# EAGLE board working (EAGLE 9.6.2), part 26 of 28
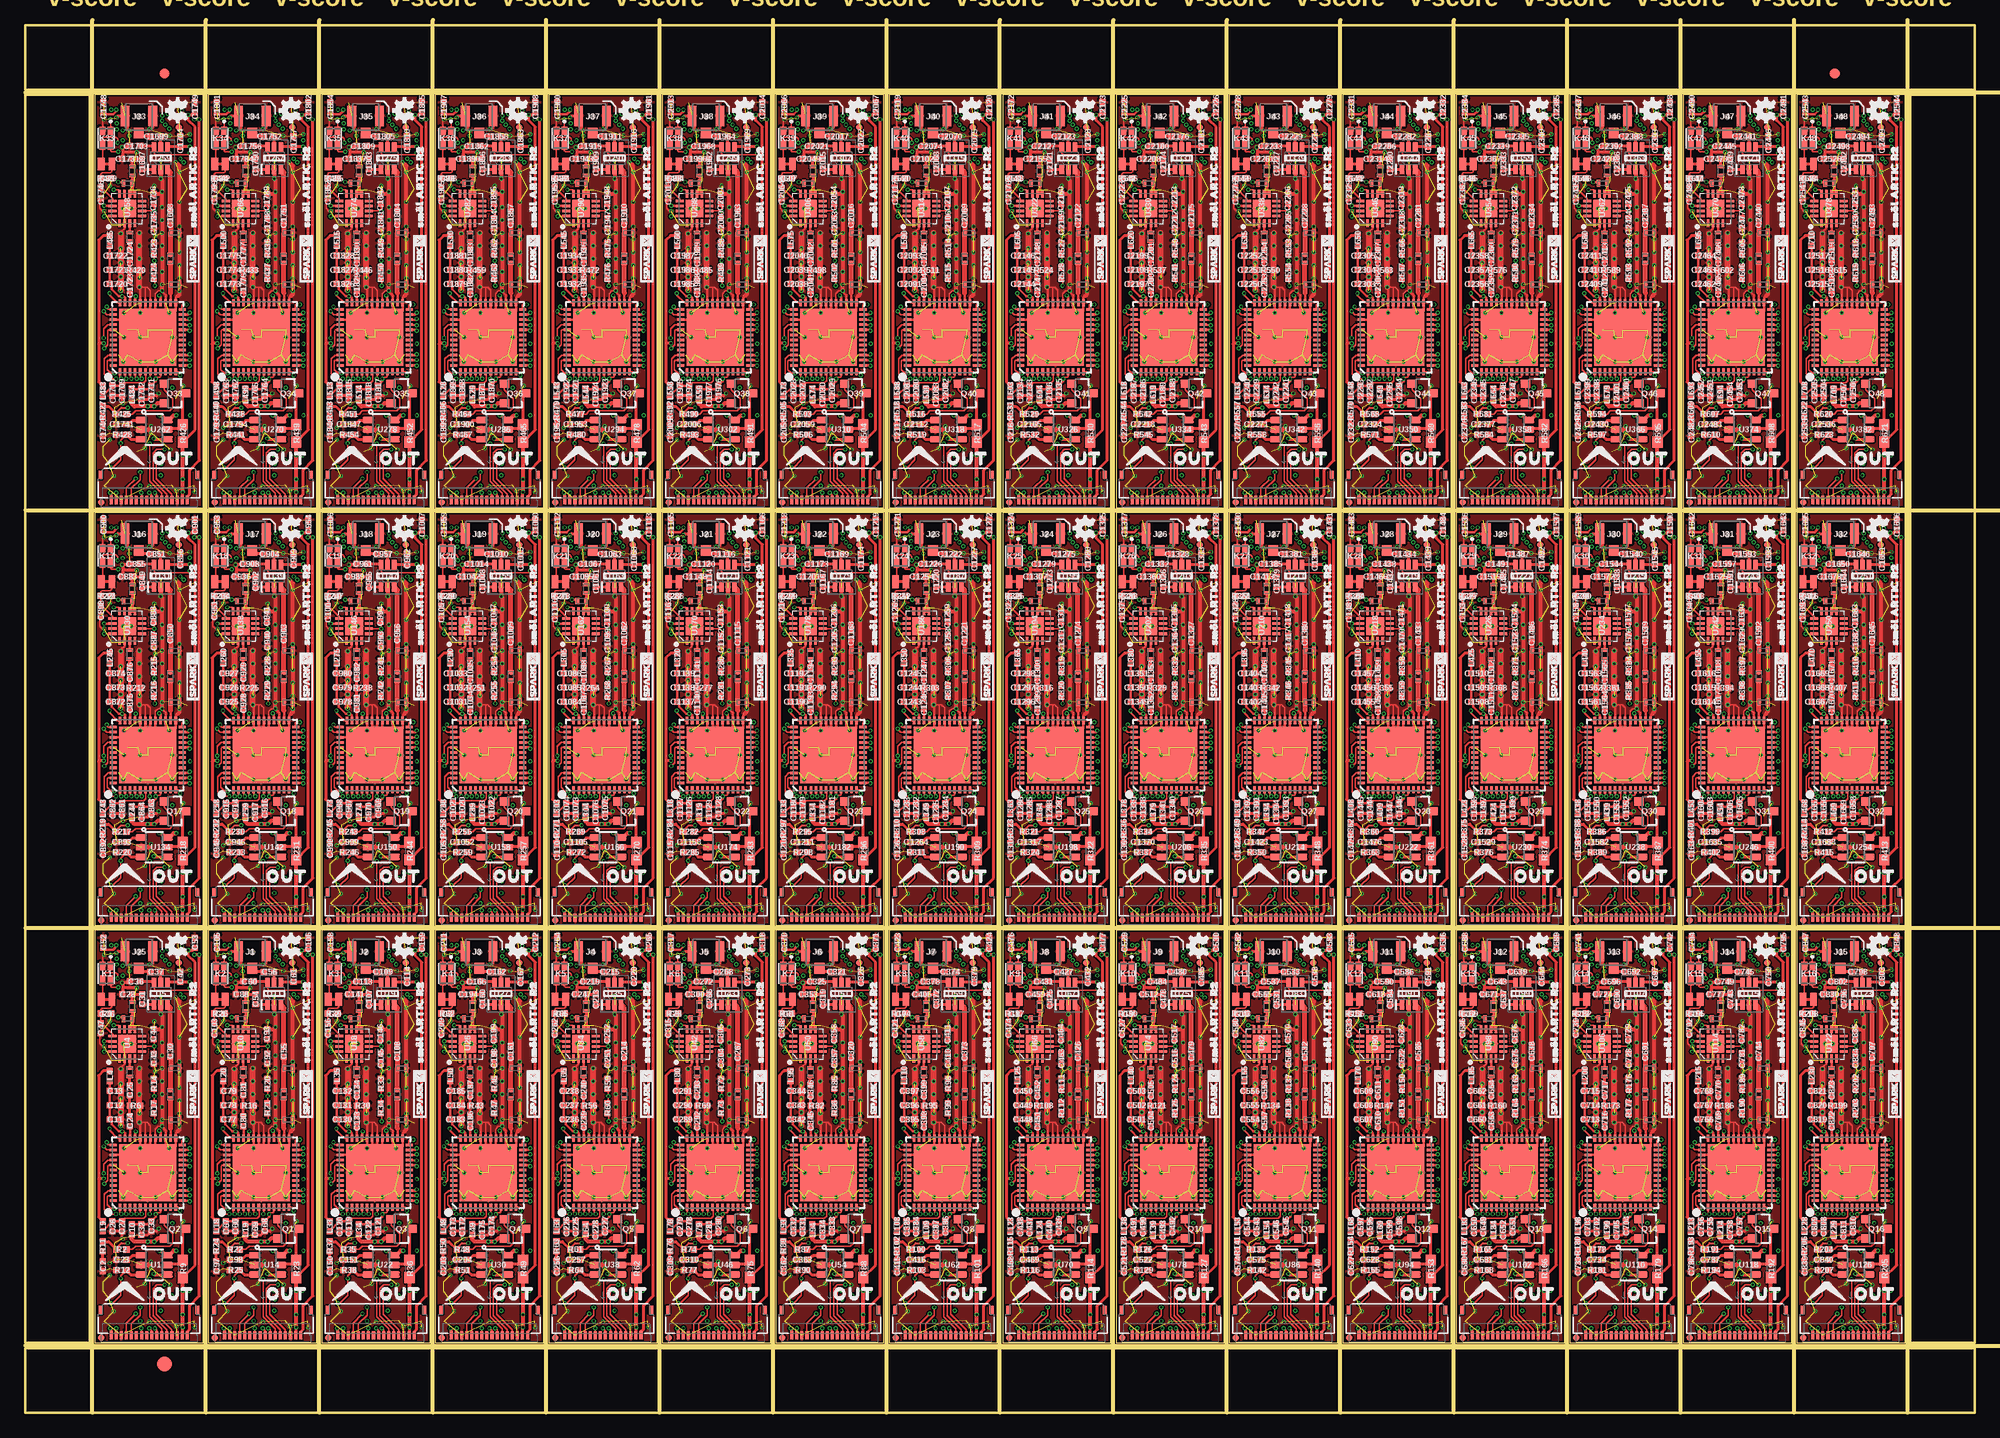
[diagram p0: board, top side]
## Tracks (layer width: path | path; a pad name or v marks a point on that pad's centre or on a via) (continued)
SCLK26  (via drill 0.2) (continued)
  Route15 0.127: v126.24,87.12 126.02,87.34 124.78,87.34 123.14,85.7 123.14,77.55 123.14,77.39 122.58,76.84 121.45,76.84 121.29,76.67 121.29,75.76 120.97,75.44 120.73,75.2 120.73,70.62 121,70.35 121.16,70.35 122.12,69.38 122.12,61.37 122.21,61.28 v122.21,60.71
  Route15 0.152: v122.21,60.71 122.21,59.84 122.69,59.36 122.69,53.52 123.04,53.17 v125.06,53.17
  Bottom 0.152: IN26.4 126.24,87.87 v126.24,87.12
SCLK27  (via drill 0.2)
  Top 0.152: U217.3 133.28,61.34 133.28,60.82 v133.39,60.71 | OUT27.4 137.38,49.31 135.85,50.84 135.85,53.05 135.98,53.17 v136.23,53.17
  Route15 0.127: v137.41,87.12 137.2,87.34 135.95,87.34 134.31,85.7 134.31,77.55 134.31,77.39 133.76,76.84 132.63,76.84 132.46,76.67 132.46,75.76 132.14,75.44 131.9,75.2 131.9,70.62 132.17,70.35 132.33,70.35 133.3,69.38 133.3,61.37 133.39,61.28 v133.39,60.71
  Route15 0.152: v133.39,60.71 133.39,59.84 133.87,59.36 133.87,53.52 134.22,53.17 v136.23,53.17
  Bottom 0.152: IN27.4 137.41,87.87 v137.41,87.12
SCLK28  (via drill 0.2)
  Top 0.152: U225.3 144.45,61.34 144.45,60.82 v144.56,60.71 | OUT28.4 148.55,49.31 147.03,50.84 147.03,53.05 147.15,53.17 v147.41,53.17
  Route15 0.127: v148.59,87.12 148.37,87.34 147.13,87.34 145.49,85.7 145.49,77.55 145.49,77.39 144.94,76.84 143.81,76.84 143.64,76.67 143.64,75.76 143.32,75.44 143.08,75.2 143.08,70.62 143.35,70.35 143.51,70.35 144.47,69.38 144.47,61.37 144.56,61.28 v144.56,60.71
  Route15 0.152: v144.56,60.71 144.56,59.84 145.05,59.36 145.05,53.52 145.39,53.17 v147.41,53.17
  Bottom 0.152: IN28.4 148.59,87.87 v148.59,87.12
SCLK29  (via drill 0.2)
  Top 0.152: U233.3 155.63,61.34 155.63,60.82 v155.74,60.71 | OUT29.4 159.73,49.31 158.2,50.84 158.2,53.05 158.33,53.17 v158.58,53.17
  Route15 0.127: v159.77,87.12 159.55,87.34 158.31,87.34 156.67,85.7 156.67,77.55 156.67,77.39 156.11,76.84 154.98,76.84 154.81,76.67 154.81,75.76 154.49,75.44 154.25,75.2 154.25,70.62 154.52,70.35 154.69,70.35 155.65,69.38 155.65,61.37 155.74,61.28 v155.74,60.71
  Route15 0.152: v155.74,60.71 155.74,59.84 156.22,59.36 156.22,53.52 156.57,53.17 v158.58,53.17
  Bottom 0.152: IN29.4 159.77,87.87 v159.77,87.12
SCLK30  (via drill 0.2)
  Top 0.152: U241.3 166.8,61.34 166.8,60.82 v166.92,60.71 | OUT30.4 170.91,49.31 169.38,50.84 169.38,53.05 169.5,53.17 v169.76,53.17
  Route15 0.127: v170.94,87.12 170.73,87.34 169.48,87.34 167.84,85.7 167.84,77.55 167.84,77.39 167.29,76.84 166.16,76.84 165.99,76.67 165.99,75.76 165.67,75.44 165.43,75.2 165.43,70.62 165.7,70.35 165.86,70.35 166.83,69.38 166.83,61.37 166.92,61.28 v166.92,60.71
  Route15 0.152: v166.92,60.71 166.92,59.84 167.4,59.36 167.4,53.52 167.74,53.17 v169.76,53.17
  Bottom 0.152: IN30.4 170.94,87.87 v170.94,87.12
SCLK31  (via drill 0.2)
  Top 0.152: U249.3 177.98,61.34 177.98,60.82 v178.09,60.71 | OUT31.4 182.08,49.31 180.55,50.84 180.55,53.05 180.68,53.17 v180.94,53.17
  Route15 0.127: v182.12,87.12 181.9,87.34 180.66,87.34 179.02,85.7 179.02,77.55 179.02,77.39 178.46,76.84 177.33,76.84 177.16,76.67 177.16,75.76 176.84,75.44 176.61,75.2 176.61,70.62 176.88,70.35 177.04,70.35 178,69.38 178,61.37 178.09,61.28 v178.09,60.71
  Route15 0.152: v178.09,60.71 178.09,59.84 178.57,59.36 178.57,53.52 178.92,53.17 v180.94,53.17
  Bottom 0.152: IN31.4 182.12,87.87 v182.12,87.12
SCLK32  (via drill 0.2)
  Top 0.152: U257.3 10.34,102.49 10.34,101.97 v10.45,101.85 | OUT32.4 14.44,90.46 12.91,91.99 12.91,94.19 13.04,94.32 v13.29,94.32
  Route15 0.127: v14.48,128.27 14.26,128.49 13.02,128.49 11.38,126.85 11.38,118.69 11.38,118.54 10.82,117.98 9.69,117.98 9.52,117.81 9.52,116.91 9.21,116.59 8.97,116.35 8.97,111.76 9.24,111.5 9.4,111.5 10.36,110.53 10.36,102.52 10.45,102.42 v10.45,101.85
  Route15 0.152: v10.45,101.85 10.45,100.99 10.93,100.51 10.93,94.67 11.28,94.32 v13.29,94.32
  Bottom 0.152: IN32.4 14.48,129.01 v14.48,128.27
SCLK33  (via drill 0.2)
  Top 0.152: U265.3 21.52,102.49 21.52,101.97 v21.63,101.85 | OUT33.4 25.62,90.46 24.09,91.99 24.09,94.19 24.22,94.32 v24.47,94.32
  Route15 0.127: v25.65,128.27 25.44,128.49 24.19,128.49 22.55,126.85 22.55,118.69 22.55,118.54 22,117.98 20.87,117.98 20.7,117.81 20.7,116.91 20.38,116.59 20.14,116.35 20.14,111.76 20.41,111.5 20.57,111.5 21.54,110.53 21.54,102.52 21.63,102.42 v21.63,101.85
  Route15 0.152: v21.63,101.85 21.63,100.99 22.11,100.51 22.11,94.67 22.46,94.32 v24.47,94.32
  Bottom 0.152: IN33.4 25.65,129.01 v25.65,128.27
SCLK34  (via drill 0.2)
  Top 0.152: U273.3 32.69,102.49 32.69,101.97 v32.8,101.85 | OUT34.4 36.79,90.46 35.27,91.99 35.27,94.19 35.39,94.32 v35.65,94.32
  Route15 0.127: v36.83,128.27 36.61,128.49 35.37,128.49 33.73,126.85 33.73,118.69 33.73,118.54 33.17,117.98 32.05,117.98 31.88,117.81 31.88,116.91 31.56,116.59 31.32,116.35 31.32,111.76 31.59,111.5 31.75,111.5 32.71,110.53 32.71,102.52 32.8,102.42 v32.8,101.85
  Route15 0.152: v32.8,101.85 32.8,100.99 33.28,100.51 33.28,94.67 33.63,94.32 v35.65,94.32
  Bottom 0.152: IN34.4 36.83,129.01 v36.83,128.27
SCLK35  (via drill 0.2)
  Top 0.152: U281.3 43.87,102.49 43.87,101.97 v43.98,101.85 | OUT35.4 47.97,90.46 46.44,91.99 46.44,94.19 46.57,94.32 v46.82,94.32
  Route15 0.127: v48.01,128.27 47.79,128.49 46.55,128.49 44.91,126.85 44.91,118.69 44.91,118.54 44.35,117.98 43.22,117.98 43.05,117.81 43.05,116.91 42.73,116.59 42.49,116.35 42.49,111.76 42.76,111.5 42.93,111.5 43.89,110.53 43.89,102.52 43.98,102.42 v43.98,101.85
  Route15 0.152: v43.98,101.85 43.98,100.99 44.46,100.51 44.46,94.67 44.81,94.32 v46.82,94.32
  Bottom 0.152: IN35.4 48.01,129.01 v48.01,128.27
SCLK36  (via drill 0.2)
  Top 0.152: U289.3 55.04,102.49 55.04,101.97 v55.16,101.85 | OUT36.4 59.15,90.46 57.62,91.99 57.62,94.19 57.74,94.32 v58,94.32
  Route15 0.127: v59.18,128.27 58.97,128.49 57.72,128.49 56.08,126.85 56.08,118.69 56.08,118.54 55.53,117.98 54.4,117.98 54.23,117.81 54.23,116.91 53.91,116.59 53.67,116.35 53.67,111.76 53.94,111.5 54.1,111.5 55.07,110.53 55.07,102.52 55.16,102.42 v55.16,101.85
  Route15 0.152: v55.16,101.85 55.16,100.99 55.64,100.51 55.64,94.67 55.98,94.32 v58,94.32
  Bottom 0.152: IN36.4 59.18,129.01 v59.18,128.27
SCLK37  (via drill 0.2)
  Top 0.152: U297.3 66.22,102.49 66.22,101.97 v66.33,101.85 | OUT37.4 70.32,90.46 68.79,91.99 68.79,94.19 68.92,94.32 v69.17,94.32
  Route15 0.127: v70.36,128.27 70.14,128.49 68.9,128.49 67.26,126.85 67.26,118.69 67.26,118.54 66.7,117.98 65.57,117.98 65.41,117.81 65.41,116.91 65.08,116.59 64.85,116.35 64.85,111.76 65.12,111.5 65.28,111.5 66.24,110.53 66.24,102.52 66.33,102.42 v66.33,101.85
  Route15 0.152: v66.33,101.85 66.33,100.99 66.81,100.51 66.81,94.67 67.16,94.32 v69.17,94.32
  Bottom 0.152: IN37.4 70.36,129.01 v70.36,128.27
SCLK38  (via drill 0.2)
  Top 0.152: U305.3 77.4,102.49 77.4,101.97 v77.51,101.85 | OUT38.4 81.5,90.46 79.97,91.99 79.97,94.19 80.1,94.32 v80.35,94.32
  Route15 0.127: v81.53,128.27 81.32,128.49 80.07,128.49 78.43,126.85 78.43,118.69 78.43,118.54 77.88,117.98 76.75,117.98 76.58,117.81 76.58,116.91 76.26,116.59 76.02,116.35 76.02,111.76 76.29,111.5 76.45,111.5 77.42,110.53 77.42,102.52 77.51,102.42 v77.51,101.85
  Route15 0.152: v77.51,101.85 77.51,100.99 77.99,100.51 77.99,94.67 78.34,94.32 v80.35,94.32
  Bottom 0.152: IN38.4 81.53,129.01 v81.53,128.27
SCLK39  (via drill 0.2)
  Top 0.152: U313.3 88.57,102.49 88.57,101.97 v88.68,101.85 | OUT39.4 92.67,90.46 91.15,91.99 91.15,94.19 91.27,94.32 v91.53,94.32
  Route15 0.127: v92.71,128.27 92.49,128.49 91.25,128.49 89.61,126.85 89.61,118.69 89.61,118.54 89.06,117.98 87.93,117.98 87.76,117.81 87.76,116.91 87.44,116.59 87.2,116.35 87.2,111.76 87.47,111.5 87.63,111.5 88.59,110.53 88.59,102.52 88.68,102.42 v88.68,101.85
  Route15 0.152: v88.68,101.85 88.68,100.99 89.17,100.51 89.17,94.67 89.51,94.32 v91.53,94.32
  Bottom 0.152: IN39.4 92.71,129.01 v92.71,128.27
SCLK40  (via drill 0.2)
  Top 0.152: U321.3 99.75,102.49 99.75,101.97 v99.86,101.85 | OUT40.4 103.85,90.46 102.32,91.99 102.32,94.19 102.45,94.32 v102.7,94.32
  Route15 0.127: v103.89,128.27 103.67,128.49 102.42,128.49 100.79,126.85 100.79,118.69 100.79,118.54 100.23,117.98 99.1,117.98 98.93,117.81 98.93,116.91 98.61,116.59 98.37,116.35 98.37,111.76 98.64,111.5 98.81,111.5 99.77,110.53 99.77,102.52 99.86,102.42 v99.86,101.85
  Route15 0.152: v99.86,101.85 99.86,100.99 100.34,100.51 100.34,94.67 100.69,94.32 v102.7,94.32
  Bottom 0.152: IN40.4 103.89,129.01 v103.89,128.27
SCLK41  (via drill 0.2)
  Top 0.152: U329.3 110.92,102.49 110.92,101.97 v111.04,101.85 | OUT41.4 115.03,90.46 113.5,91.99 113.5,94.19 113.62,94.32 v113.88,94.32
  Route15 0.127: v115.06,128.27 114.85,128.49 113.6,128.49 111.96,126.85 111.96,118.69 111.96,118.54 111.41,117.98 110.28,117.98 110.11,117.81 110.11,116.91 109.79,116.59 109.55,116.35 109.55,111.76 109.82,111.5 109.98,111.5 110.95,110.53 110.95,102.52 111.04,102.42 v111.04,101.85
  Route15 0.152: v111.04,101.85 111.04,100.99 111.52,100.51 111.52,94.67 111.86,94.32 v113.88,94.32
  Bottom 0.152: IN41.4 115.06,129.01 v115.06,128.27
SCLK42  (via drill 0.2)
  Top 0.152: U337.3 122.1,102.49 122.1,101.97 v122.21,101.85 | OUT42.4 126.2,90.46 124.67,91.99 124.67,94.19 124.8,94.32 v125.06,94.32
  Route15 0.127: v126.24,128.27 126.02,128.49 124.78,128.49 123.14,126.85 123.14,118.69 123.14,118.54 122.58,117.98 121.45,117.98 121.29,117.81 121.29,116.91 120.97,116.59 120.73,116.35 120.73,111.76 121,111.5 121.16,111.5 122.12,110.53 122.12,102.52 122.21,102.42 v122.21,101.85
  Route15 0.152: v122.21,101.85 122.21,100.99 122.69,100.51 122.69,94.67 123.04,94.32 v125.06,94.32
  Bottom 0.152: IN42.4 126.24,129.01 v126.24,128.27
SCLK43  (via drill 0.2)
  Top 0.152: U345.3 133.28,102.49 133.28,101.97 v133.39,101.85 | OUT43.4 137.38,90.46 135.85,91.99 135.85,94.19 135.98,94.32 v136.23,94.32
  Route15 0.127: v137.41,128.27 137.2,128.49 135.95,128.49 134.31,126.85 134.31,118.69 134.31,118.54 133.76,117.98 132.63,117.98 132.46,117.81 132.46,116.91 132.14,116.59 131.9,116.35 131.9,111.76 132.17,111.5 132.33,111.5 133.3,110.53 133.3,102.52 133.39,102.42 v133.39,101.85
  Route15 0.152: v133.39,101.85 133.39,100.99 133.87,100.51 133.87,94.67 134.22,94.32 v136.23,94.32
  Bottom 0.152: IN43.4 137.41,129.01 v137.41,128.27
SCLK44  (via drill 0.2)
  Top 0.152: U353.3 144.45,102.49 144.45,101.97 v144.56,101.85 | OUT44.4 148.55,90.46 147.03,91.99 147.03,94.19 147.15,94.32 v147.41,94.32
  Route15 0.127: v148.59,128.27 148.37,128.49 147.13,128.49 145.49,126.85 145.49,118.69 145.49,118.54 144.94,117.98 143.81,117.98 143.64,117.81 143.64,116.91 143.32,116.59 143.08,116.35 143.08,111.76 143.35,111.5 143.51,111.5 144.47,110.53 144.47,102.52 144.56,102.42 v144.56,101.85
  Route15 0.152: v144.56,101.85 144.56,100.99 145.05,100.51 145.05,94.67 145.39,94.32 v147.41,94.32
  Bottom 0.152: IN44.4 148.59,129.01 v148.59,128.27
SCLK45  (via drill 0.2)
  Top 0.152: U361.3 155.63,102.49 155.63,101.97 v155.74,101.85 | OUT45.4 159.73,90.46 158.2,91.99 158.2,94.19 158.33,94.32 v158.58,94.32
  Route15 0.127: v159.77,128.27 159.55,128.49 158.31,128.49 156.67,126.85 156.67,118.69 156.67,118.54 156.11,117.98 154.98,117.98 154.81,117.81 154.81,116.91 154.49,116.59 154.25,116.35 154.25,111.76 154.52,111.5 154.69,111.5 155.65,110.53 155.65,102.52 155.74,102.42 v155.74,101.85
  Route15 0.152: v155.74,101.85 155.74,100.99 156.22,100.51 156.22,94.67 156.57,94.32 v158.58,94.32
  Bottom 0.152: IN45.4 159.77,129.01 v159.77,128.27
SCLK46  (via drill 0.2)
  Top 0.152: U369.3 166.8,102.49 166.8,101.97 v166.92,101.85 | OUT46.4 170.91,90.46 169.38,91.99 169.38,94.19 169.5,94.32 v169.76,94.32
  Route15 0.127: v170.94,128.27 170.73,128.49 169.48,128.49 167.84,126.85 167.84,118.69 167.84,118.54 167.29,117.98 166.16,117.98 165.99,117.81 165.99,116.91 165.67,116.59 165.43,116.35 165.43,111.76 165.7,111.5 165.86,111.5 166.83,110.53 166.83,102.52 166.92,102.42 v166.92,101.85
  Route15 0.152: v166.92,101.85 166.92,100.99 167.4,100.51 167.4,94.67 167.74,94.32 v169.76,94.32
  Bottom 0.152: IN46.4 170.94,129.01 v170.94,128.27
SCLK47  (via drill 0.2)
  Top 0.152: U377.3 177.98,102.49 177.98,101.97 v178.09,101.85 | OUT47.4 182.08,90.46 180.55,91.99 180.55,94.19 180.68,94.32 v180.94,94.32
  Route15 0.127: v182.12,128.27 181.9,128.49 180.66,128.49 179.02,126.85 179.02,118.69 179.02,118.54 178.46,117.98 177.33,117.98 177.16,117.81 177.16,116.91 176.84,116.59 176.61,116.35 176.61,111.76 176.88,111.5 177.04,111.5 178,110.53 178,102.52 178.09,102.42 v178.09,101.85
  Route15 0.152: v178.09,101.85 178.09,100.99 178.57,100.51 178.57,94.67 178.92,94.32 v180.94,94.32
  Bottom 0.152: IN47.4 182.12,129.01 v182.12,128.27
SDA  (via drill 0.2)
  Top 0.152: OUT.12 10.44,8.74 11.3,9.61 v11.3,10.35
  Route15 0.127: v9.02,44.13 8.06,44.13 7.87,43.94 7.87,37.4 8.42,36.85 8.42,35.23 7.87,34.69 7.87,27.82 8.82,26.86 8.82,21.93 7.79,20.89 7.79,10.69 8.13,10.35 v11.3,10.35
  Bottom 0.152: IN.12 10.44,45.56 v9.02,44.13 | v11.3,10.35 9.95,10.35 U8.7
SDA1  (via drill 0.2)
  Top 0.152: OUT1.12 21.62,8.74 22.48,9.61 v22.48,10.35
  Route15 0.127: v20.19,44.13 19.24,44.13 19.05,43.94 19.05,37.4 19.59,36.85 19.59,35.23 19.05,34.69 19.05,27.82 20,26.86 20,21.93 18.96,20.89 18.96,10.69 19.3,10.35 v22.48,10.35
  Bottom 0.152: IN1.12 21.62,45.56 v20.19,44.13 | v22.48,10.35 U16.7
SDA2  (via drill 0.2)
  Top 0.152: OUT2.12 32.79,8.74 33.66,9.61 v33.66,10.35
  Route15 0.127: v31.37,44.13 30.42,44.13 30.23,43.94 30.23,37.4 30.77,36.85 30.77,35.23 30.23,34.69 30.23,27.82 31.18,26.86 31.18,21.93 30.14,20.89 30.14,10.69 30.48,10.35 v33.66,10.35
  Bottom 0.152: IN2.12 32.79,45.56 v31.37,44.13 | v33.66,10.35 U24.7
SDA3  (via drill 0.2)
  Top 0.152: OUT3.12 43.97,8.74 44.83,9.61 v44.83,10.35
  Route15 0.127: v42.54,44.13 41.59,44.13 41.4,43.94 41.4,37.4 41.95,36.85 41.95,35.23 41.4,34.69 41.4,27.82 42.35,26.86 42.35,21.93 41.31,20.89 41.31,10.69 41.66,10.35 v44.83,10.35
  Bottom 0.152: IN3.12 43.97,45.56 v42.54,44.13 | v44.83,10.35 U32.7
SDA4  (via drill 0.2)
  Top 0.152: OUT4.12 55.15,8.74 56.01,9.61 v56.01,10.35
  Route15 0.127: v53.72,44.13 52.77,44.13 52.58,43.94 52.58,37.4 53.12,36.85 53.12,35.23 52.58,34.69 52.58,27.82 53.53,26.86 53.53,21.93 52.49,20.89 52.49,10.69 52.83,10.35 v56.01,10.35
  Bottom 0.152: IN4.12 55.15,45.56 v53.72,44.13 | v56.01,10.35 U40.7
SDA5  (via drill 0.2)
  Top 0.152: OUT5.12 66.32,8.74 67.18,9.61 v67.18,10.35
  Route15 0.127: v64.9,44.13 63.95,44.13 63.75,43.94 63.75,37.4 64.3,36.85 64.3,35.23 63.75,34.69 63.75,27.82 64.7,26.86 64.7,21.93 63.66,20.89 63.66,10.69 64.01,10.35 v67.18,10.35
  Bottom 0.152: IN5.12 66.32,45.56 v64.9,44.13 | v67.18,10.35 U48.7
SDA6  (via drill 0.2)
  Top 0.152: OUT6.12 77.5,8.74 78.36,9.61 v78.36,10.35
  Route15 0.127: v76.07,44.13 75.12,44.13 74.93,43.94 74.93,37.4 75.48,36.85 75.48,35.23 74.93,34.69 74.93,27.82 75.88,26.86 75.88,21.93 74.84,20.89 74.84,10.69 75.18,10.35 v78.36,10.35
  Bottom 0.152: IN6.12 77.5,45.56 v76.07,44.13 | v78.36,10.35 U56.7
SDA7  (via drill 0.2)
  Top 0.152: OUT7.12 88.67,8.74 89.54,9.61 v89.54,10.35
  Route15 0.127: v87.25,44.13 86.3,44.13 86.11,43.94 86.11,37.4 86.65,36.85 86.65,35.23 86.11,34.69 86.11,27.82 87.06,26.86 87.06,21.93 86.02,20.89 86.02,10.69 86.36,10.35 v89.54,10.35
  Bottom 0.152: IN7.12 88.67,45.56 v87.25,44.13 | v89.54,10.35 U64.7
SDA8  (via drill 0.2)
  Top 0.152: OUT8.12 99.85,8.74 100.71,9.61 v100.71,10.35
  Route15 0.127: v98.42,44.13 97.47,44.13 97.28,43.94 97.28,37.4 97.83,36.85 97.83,35.23 97.28,34.69 97.28,27.82 98.23,26.86 98.23,21.93 97.19,20.89 97.19,10.69 97.54,10.35 v100.71,10.35
  Bottom 0.152: IN8.12 99.85,45.56 v98.42,44.13 | v100.71,10.35 U72.7
SDA9  (via drill 0.2)
  Top 0.152: OUT9.12 111.03,8.74 111.89,9.61 v111.89,10.35
  Route15 0.127: v109.6,44.13 108.65,44.13 108.46,43.94 108.46,37.4 109,36.85 109,35.23 108.46,34.69 108.46,27.82 109.41,26.86 109.41,21.93 108.37,20.89 108.37,10.69 108.71,10.35 v111.89,10.35
  Bottom 0.152: IN9.12 111.03,45.56 v109.6,44.13 | v111.89,10.35 U80.7
SDA10  (via drill 0.2)
  Top 0.152: OUT10.12 122.2,8.74 123.06,9.61 v123.06,10.35
  Route15 0.127: v120.78,44.13 119.82,44.13 119.63,43.94 119.63,37.4 120.18,36.85 120.18,35.23 119.63,34.69 119.63,27.82 120.59,26.86 120.59,21.93 119.55,20.89 119.55,10.69 119.89,10.35 v123.06,10.35
  Bottom 0.152: IN10.12 122.2,45.56 v120.78,44.13 | v123.06,10.35 121.71,10.35 U88.7
SDA11  (via drill 0.2)
  Top 0.152: OUT11.12 133.38,8.74 134.24,9.61 v134.24,10.35
  Route15 0.127: v131.95,44.13 131,44.13 130.81,43.94 130.81,37.4 131.35,36.85 131.35,35.23 130.81,34.69 130.81,27.82 131.76,26.86 131.76,21.93 130.72,20.89 130.72,10.69 131.06,10.35 v134.24,10.35
  Bottom 0.152: IN11.12 133.38,45.56 v131.95,44.13 | v134.24,10.35 U96.7
SDA12  (via drill 0.2)
  Top 0.152: OUT12.12 144.55,8.74 145.41,9.61 v145.41,10.35
  Route15 0.127: v143.13,44.13 142.18,44.13 141.99,43.94 141.99,37.4 142.53,36.85 142.53,35.23 141.99,34.69 141.99,27.82 142.94,26.86 142.94,21.93 141.9,20.89 141.9,10.69 142.24,10.35 v145.41,10.35
  Bottom 0.152: IN12.12 144.55,45.56 v143.13,44.13 | v145.41,10.35 U104.7
SDA13  (via drill 0.2)
  Top 0.152: OUT13.12 155.73,8.74 156.59,9.61 v156.59,10.35
  Route15 0.127: v154.31,44.13 153.35,44.13 153.16,43.94 153.16,37.4 153.71,36.85 153.71,35.23 153.16,34.69 153.16,27.82 154.11,26.86 154.11,21.93 153.07,20.89 153.07,10.69 153.42,10.35 v156.59,10.35
  Bottom 0.152: IN13.12 155.73,45.56 v154.31,44.13 | v156.59,10.35 U112.7
SDA14  (via drill 0.2)
  Top 0.152: OUT14.12 166.91,8.74 167.77,9.61 v167.77,10.35
  Route15 0.127: v165.48,44.13 164.53,44.13 164.34,43.94 164.34,37.4 164.88,36.85 164.88,35.23 164.34,34.69 164.34,27.82 165.29,26.86 165.29,21.93 164.25,20.89 164.25,10.69 164.59,10.35 v167.77,10.35
  Bottom 0.152: IN14.12 166.91,45.56 v165.48,44.13 | v167.77,10.35 U120.7
SDA15  (via drill 0.2)
  Top 0.152: OUT15.12 178.08,8.74 178.94,9.61 v178.94,10.35
  Route15 0.127: v176.66,44.13 175.7,44.13 175.51,43.94 175.51,37.4 176.06,36.85 176.06,35.23 175.51,34.69 175.51,27.82 176.47,26.86 176.47,21.93 175.43,20.89 175.43,10.69 175.77,10.35 v178.94,10.35
  Bottom 0.152: IN15.12 178.08,45.56 v176.66,44.13 | v178.94,10.35 177.59,10.35 U128.7
SDA16  (via drill 0.2)
  Top 0.152: OUT16.12 10.44,49.89 11.3,50.75 v11.3,51.5
  Route15 0.127: v9.02,85.28 8.06,85.28 7.87,85.09 7.87,78.55 8.42,78 8.42,76.38 7.87,75.84 7.87,68.96 8.82,68.01 8.82,63.08 7.79,62.04 7.79,51.84 8.13,51.5 v11.3,51.5
  Bottom 0.152: IN16.12 10.44,86.7 v9.02,85.28 | v11.3,51.5 9.95,51.5 U136.7
SDA17  (via drill 0.2)
  Top 0.152: OUT17.12 21.62,49.89 22.48,50.75 v22.48,51.5
  Route15 0.127: v20.19,85.28 19.24,85.28 19.05,85.09 19.05,78.55 19.59,78 19.59,76.38 19.05,75.84 19.05,68.96 20,68.01 20,63.08 18.96,62.04 18.96,51.84 19.3,51.5 v22.48,51.5
  Bottom 0.152: IN17.12 21.62,86.7 v20.19,85.28 | v22.48,51.5 U144.7
SDA18  (via drill 0.2)
  Top 0.152: OUT18.12 32.79,49.89 33.66,50.75 v33.66,51.5
  Route15 0.127: v31.37,85.28 30.42,85.28 30.23,85.09 30.23,78.55 30.77,78 30.77,76.38 30.23,75.84 30.23,68.96 31.18,68.01 31.18,63.08 30.14,62.04 30.14,51.84 30.48,51.5 v33.66,51.5
  Bottom 0.152: IN18.12 32.79,86.7 v31.37,85.28 | v33.66,51.5 U152.7
SDA19  (via drill 0.2)
  Top 0.152: OUT19.12 43.97,49.89 44.83,50.75 v44.83,51.5
  Route15 0.127: v42.54,85.28 41.59,85.28 41.4,85.09 41.4,78.55 41.95,78 41.95,76.38 41.4,75.84 41.4,68.96 42.35,68.01 42.35,63.08 41.31,62.04 41.31,51.84 41.66,51.5 v44.83,51.5
  Bottom 0.152: IN19.12 43.97,86.7 v42.54,85.28 | v44.83,51.5 U160.7
SDA20  (via drill 0.2)
  Top 0.152: OUT20.12 55.15,49.89 56.01,50.75 v56.01,51.5
  Route15 0.127: v53.72,85.28 52.77,85.28 52.58,85.09 52.58,78.55 53.12,78 53.12,76.38 52.58,75.84 52.58,68.96 53.53,68.01 53.53,63.08 52.49,62.04 52.49,51.84 52.83,51.5 v56.01,51.5
  Bottom 0.152: IN20.12 55.15,86.7 v53.72,85.28 | v56.01,51.5 U168.7
SDA21  (via drill 0.2)
  Top 0.152: OUT21.12 66.32,49.89 67.18,50.75 v67.18,51.5
  Route15 0.127: v64.9,85.28 63.95,85.28 63.75,85.09 63.75,78.55 64.3,78 64.3,76.38 63.75,75.84 63.75,68.96 64.7,68.01 64.7,63.08 63.66,62.04 63.66,51.84 64.01,51.5 v67.18,51.5
  Bottom 0.152: IN21.12 66.32,86.7 v64.9,85.28 | v67.18,51.5 U176.7
SDA22  (via drill 0.2)
  Top 0.152: OUT22.12 77.5,49.89 78.36,50.75 v78.36,51.5
  Route15 0.127: v76.07,85.28 75.12,85.28 74.93,85.09 74.93,78.55 75.48,78 75.48,76.38 74.93,75.84 74.93,68.96 75.88,68.01 75.88,63.08 74.84,62.04 74.84,51.84 75.18,51.5 v78.36,51.5
  Bottom 0.152: IN22.12 77.5,86.7 v76.07,85.28 | v78.36,51.5 U184.7
SDA23  (via drill 0.2)
  Top 0.152: OUT23.12 88.67,49.89 89.54,50.75 v89.54,51.5
  Route15 0.127: v87.25,85.28 86.3,85.28 86.11,85.09 86.11,78.55 86.65,78 86.65,76.38 86.11,75.84 86.11,68.96 87.06,68.01 87.06,63.08 86.02,62.04 86.02,51.84 86.36,51.5 v89.54,51.5
  Bottom 0.152: IN23.12 88.67,86.7 v87.25,85.28 | v89.54,51.5 U192.7
SDA24  (via drill 0.2)
  Top 0.152: OUT24.12 99.85,49.89 100.71,50.75 v100.71,51.5
  Route15 0.127: v98.42,85.28 97.47,85.28 97.28,85.09 97.28,78.55 97.83,78 97.83,76.38 97.28,75.84 97.28,68.96 98.23,68.01 98.23,63.08 97.19,62.04 97.19,51.84 97.54,51.5 v100.71,51.5
  Bottom 0.152: IN24.12 99.85,86.7 v98.42,85.28 | v100.71,51.5 U200.7
SDA25  (via drill 0.2)
  Top 0.152: OUT25.12 111.03,49.89 111.89,50.75 v111.89,51.5
  Route15 0.127: v109.6,85.28 108.65,85.28 108.46,85.09 108.46,78.55 109,78 109,76.38 108.46,75.84 108.46,68.96 109.41,68.01 109.41,63.08 108.37,62.04 108.37,51.84 108.71,51.5 v111.89,51.5
  Bottom 0.152: IN25.12 111.03,86.7 v109.6,85.28 | v111.89,51.5 U208.7
SDA26  (via drill 0.2)
  Top 0.152: OUT26.12 122.2,49.89 123.06,50.75 v123.06,51.5
  Route15 0.127: v120.78,85.28 119.82,85.28 119.63,85.09 119.63,78.55 120.18,78 120.18,76.38 119.63,75.84 119.63,68.96 120.59,68.01 120.59,63.08 119.55,62.04 119.55,51.84 119.89,51.5 v123.06,51.5
  Bottom 0.152: IN26.12 122.2,86.7 v120.78,85.28 | v123.06,51.5 121.71,51.5 U216.7
SDA27  (via drill 0.2)
  Top 0.152: OUT27.12 133.38,49.89 134.24,50.75 v134.24,51.5
  Route15 0.127: v131.95,85.28 131,85.28 130.81,85.09 130.81,78.55 131.35,78 131.35,76.38 130.81,75.84 130.81,68.96 131.76,68.01 131.76,63.08 130.72,62.04 130.72,51.84 131.06,51.5 v134.24,51.5
  Bottom 0.152: IN27.12 133.38,86.7 v131.95,85.28 | v134.24,51.5 U224.7
SDA28  (via drill 0.2)
  Top 0.152: OUT28.12 144.55,49.89 145.41,50.75 v145.41,51.5
  Route15 0.127: v143.13,85.28 142.18,85.28 141.99,85.09 141.99,78.55 142.53,78 142.53,76.38 141.99,75.84 141.99,68.96 142.94,68.01 142.94,63.08 141.9,62.04 141.9,51.84 142.24,51.5 v145.41,51.5
  Bottom 0.152: IN28.12 144.55,86.7 v143.13,85.28 | v145.41,51.5 U232.7
SDA29  (via drill 0.2)
  Top 0.152: OUT29.12 155.73,49.89 156.59,50.75 v156.59,51.5
  Route15 0.127: v154.31,85.28 153.35,85.28 153.16,85.09 153.16,78.55 153.71,78 153.71,76.38 153.16,75.84 153.16,68.96 154.11,68.01 154.11,63.08 153.07,62.04 153.07,51.84 153.42,51.5 v156.59,51.5
  Bottom 0.152: IN29.12 155.73,86.7 v154.31,85.28 | v156.59,51.5 U240.7
SDA30  (via drill 0.2)
  Top 0.152: OUT30.12 166.91,49.89 167.77,50.75 v167.77,51.5
  Route15 0.127: v165.48,85.28 164.53,85.28 164.34,85.09 164.34,78.55 164.88,78 164.88,76.38 164.34,75.84 164.34,68.96 165.29,68.01 165.29,63.08 164.25,62.04 164.25,51.84 164.59,51.5 v167.77,51.5
  Bottom 0.152: IN30.12 166.91,86.7 v165.48,85.28 | v167.77,51.5 U248.7
SDA31  (via drill 0.2)
  Top 0.152: OUT31.12 178.08,49.89 178.94,50.75 v178.94,51.5
  Route15 0.127: v176.66,85.28 175.7,85.28 175.51,85.09 175.51,78.55 176.06,78 176.06,76.38 175.51,75.84 175.51,68.96 176.47,68.01 176.47,63.08 175.43,62.04 175.43,51.84 175.77,51.5 v178.94,51.5
  Bottom 0.152: IN31.12 178.08,86.7 v176.66,85.28 | v178.94,51.5 177.59,51.5 U256.7
SDA32  (via drill 0.2)
  Top 0.152: OUT32.12 10.44,91.04 11.3,91.9 v11.3,92.65
  Route15 0.127: v9.02,126.43 8.06,126.43 7.87,126.24 7.87,119.7 8.42,119.15 8.42,117.53 7.87,116.98 7.87,110.11 8.82,109.16 8.82,104.23 7.79,103.19 7.79,92.99 8.13,92.65 v11.3,92.65
  Bottom 0.152: IN32.12 10.44,127.85 v9.02,126.43 | v11.3,92.65 9.95,92.65 U264.7
SDA33  (via drill 0.2)
  Top 0.152: OUT33.12 21.62,91.04 22.48,91.9 v22.48,92.65
  Route15 0.127: v20.19,126.43 19.24,126.43 19.05,126.24 19.05,119.7 19.59,119.15 19.59,117.53 19.05,116.98 19.05,110.11 20,109.16 20,104.23 18.96,103.19 18.96,92.99 19.3,92.65 v22.48,92.65
  Bottom 0.152: IN33.12 21.62,127.85 v20.19,126.43 | v22.48,92.65 21.13,92.65 U272.7
SDA34  (via drill 0.2)
  Top 0.152: OUT34.12 32.79,91.04 33.66,91.9 v33.66,92.65
  Route15 0.127: v31.37,126.43 30.42,126.43 30.23,126.24 30.23,119.7 30.77,119.15 30.77,117.53 30.23,116.98 30.23,110.11 31.18,109.16 31.18,104.23 30.14,103.19 30.14,92.99 30.48,92.65 v33.66,92.65
  Bottom 0.152: IN34.12 32.79,127.85 v31.37,126.43 | v33.66,92.65 32.3,92.65 U280.7
SDA35  (via drill 0.2)
  Top 0.152: OUT35.12 43.97,91.04 44.83,91.9 v44.83,92.65
  Route15 0.127: v42.54,126.43 41.59,126.43 41.4,126.24 41.4,119.7 41.95,119.15 41.95,117.53 41.4,116.98 41.4,110.11 42.35,109.16 42.35,104.23 41.31,103.19 41.31,92.99 41.66,92.65 v44.83,92.65
  Bottom 0.152: IN35.12 43.97,127.85 v42.54,126.43 | v44.83,92.65 43.48,92.65 U288.7